# KiCad board main.kicad_pcb
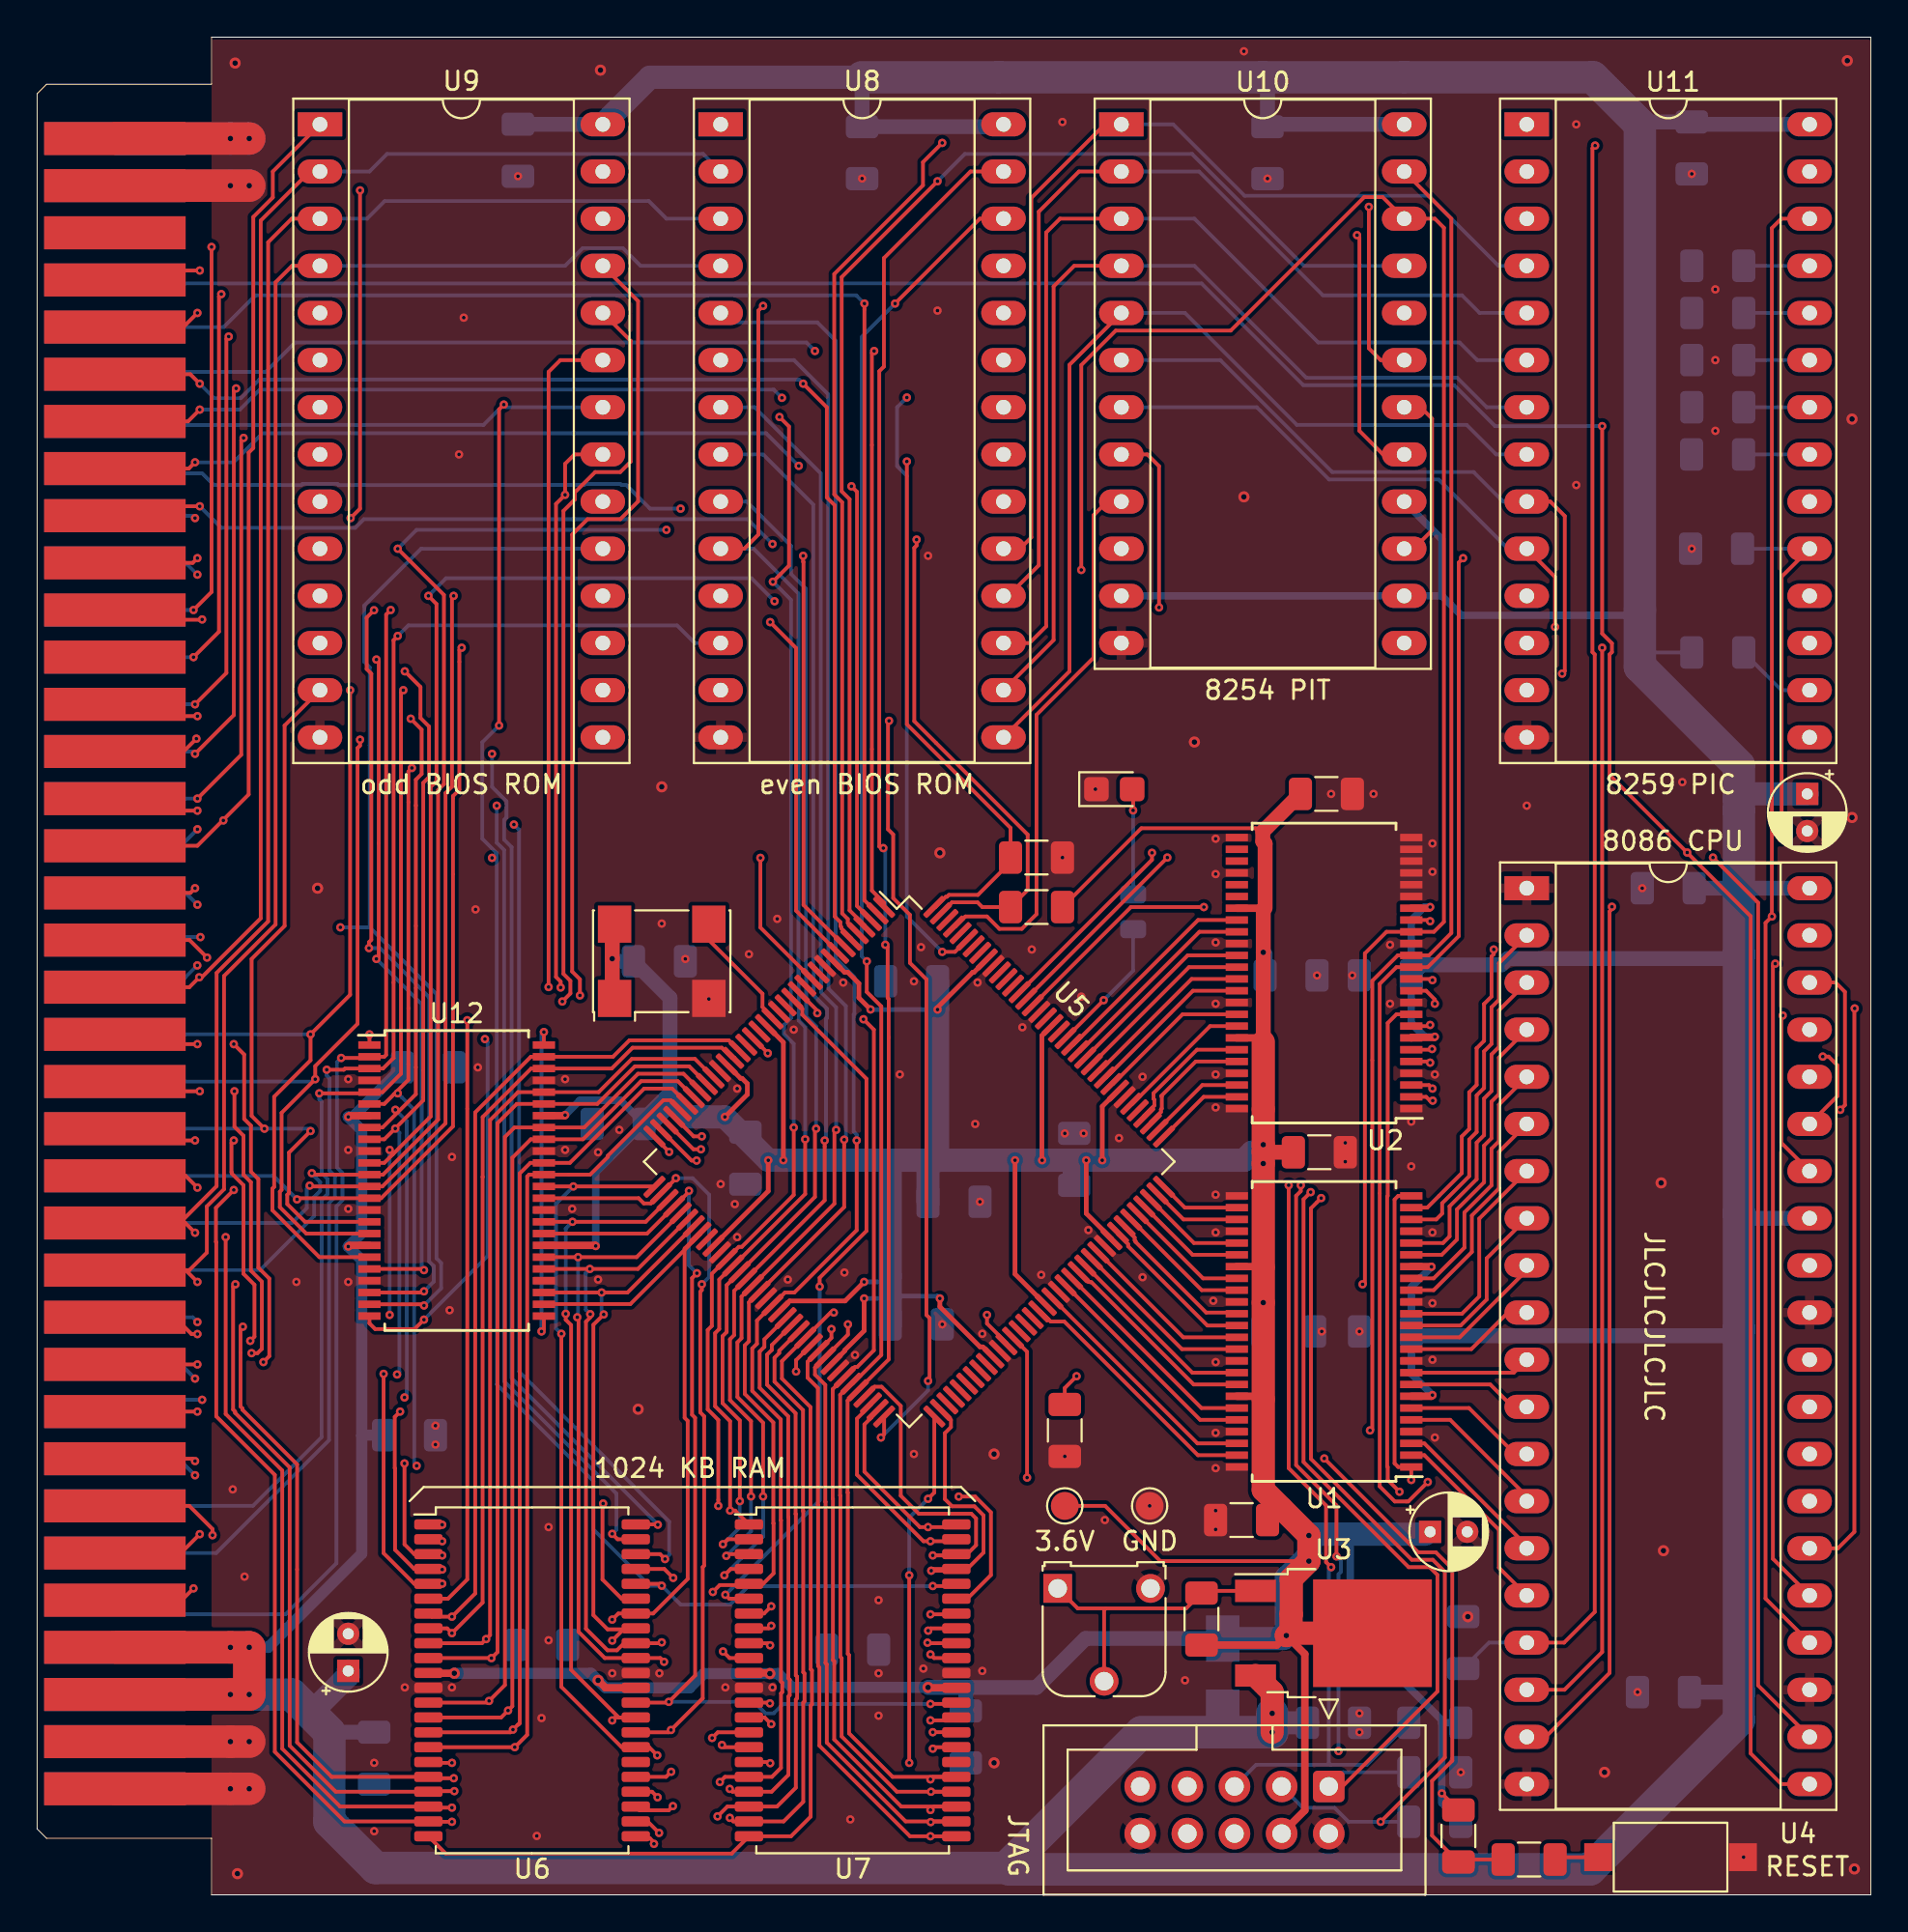
[diagram p0: board, top side]
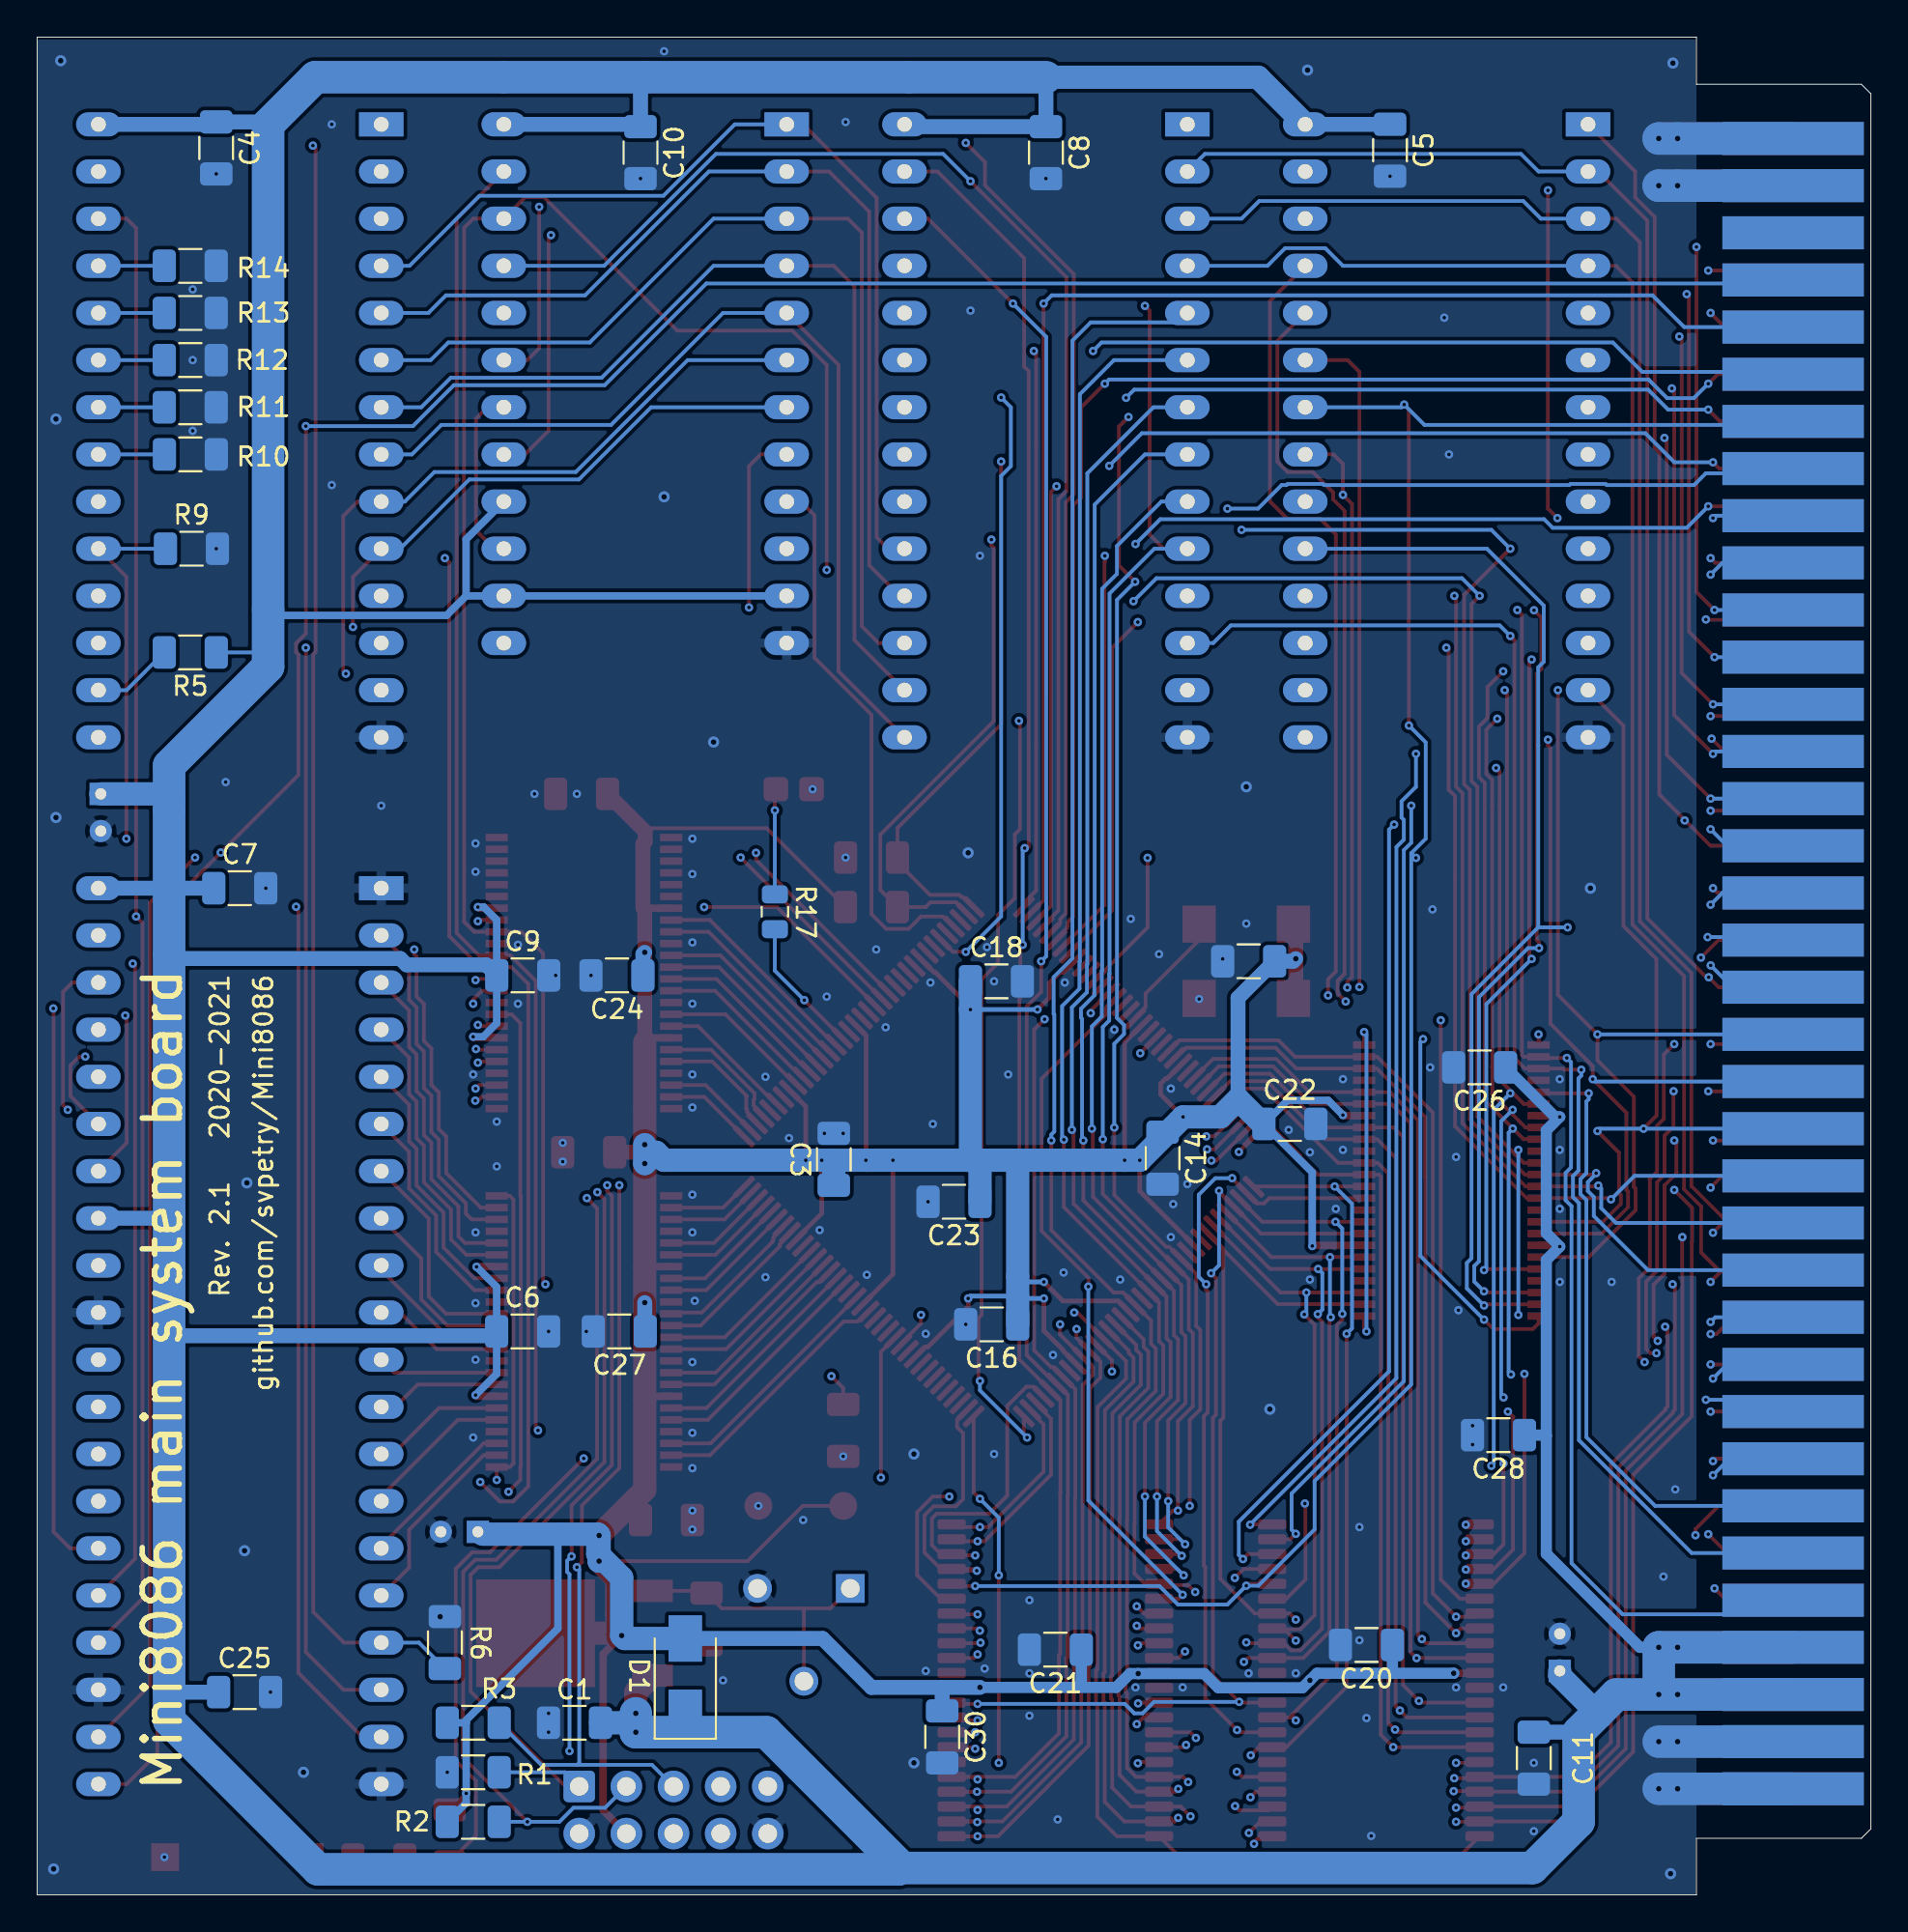
[diagram p1: board, bottom side, seen from below]

Outline 98.81 x 100.08 mm; copper layers: Top, In1.Cu, In2.Cu (plane), Bottom. Coordinates in mm from the lower left corner of the outline.
Outline path: 0,97.03 0,3.56 0.51,3.05 9.4,3.05 9.4,0 98.81,0 98.81,100.08 9.4,100.08 9.4,97.54 0.51,97.54 0,97.03

## Placement (name value [footprint] x y rotation side)
C1  100n  [C_1206_3216Metric]  69.85 9.27 0 bottom
C2  47u  [CP_Radial_D4.0mm_P2.00mm]  75.06 19.56 0 top
C3  100n  [C_1206_3216Metric]  55.88 39.62 90 bottom
C4  100n  [C_1206_3216Metric]  89.15 94.11 270 bottom
C5  100n  [C_1206_3216Metric]  25.91 93.98 270 bottom
C6  100n  [C_1206_3216Metric]  72.65 30.35 180 bottom
C7  100n  [C_1206_3216Metric]  87.89 54.23 180 bottom
C8  100n  [C_1206_3216Metric]  44.45 93.85 270 bottom
C9  100n  [C_1206_3216Metric]  72.64 49.53 180 bottom
C10  100n  [C_1206_3216Metric]  66.29 93.85 270 bottom
C11  100n  [C_1206_3216Metric]  18.16 7.37 270 bottom
C12  47µ  [CP_Radial_D4.0mm_P2.00mm]  16.76 12.06 90 top
C13  100n  [C_1206_3216Metric]  64.9 20.19 180 top
C14  100n  [C_1206_3216Metric]  38.16 39.68 270 bottom
C15  100n  [C_1206_3216Metric]  69.47 59.31 0 top
C16  100n  [C_1206_3216Metric]  47.37 30.73 0 bottom
C17  100n  [C_1206_3216Metric]  33.53 50.29 0 bottom
C18  100n  [C_1206_3216Metric]  47.12 49.21 180 bottom
C19  100n  [C_1206_3216Metric]  69.09 40 0 top
C20  100n  [C_1206_3216Metric]  27.18 13.46 0 bottom
C21  100n  [C_1206_3216Metric]  43.94 13.21 0 bottom
C22  100n  [C_1206_3216Metric]  31.31 41.53 180 bottom
C23  100n  [C_1206_3216Metric]  49.4 37.34 0 bottom
C24  100n  [C_1206_3216Metric]  67.56 49.53 0 bottom
C25  100n  [C_1206_3216Metric]  87.63 10.92 180 bottom
C26  100n  [C_1206_3216Metric]  21.08 44.58 0 bottom
C27  100n  [C_1206_3216Metric]  67.44 30.35 0 bottom
C28  100n  [C_1206_3216Metric]  20.07 24.77 0 bottom
C29  10µ  [CP_Radial_D4.0mm_P2.00mm]  95.38 59.31 270 top
C30  100n  [C_1206_3216Metric]  50.04 8.51 270 bottom
C40  100n  [C_1206_3216Metric]  55.37 25.02 270 top
D1  SS16  [D_SMA]  63.88 11.81 90 bottom
D2  LED  [LED_0805_2012Metric_Castellated]  58.04 59.56 0 top
J1  JTAG  [IDC-Header_2x05_P2.54mm_Vertical]  69.6 5.84 270 top
R1  2K2  [R_1206_3216Metric]  75.31 6.6 0 bottom
R2  10K  [R_1206_3216Metric]  75.31 3.94 180 bottom
R3  10K  [R_1206_3216Metric]  75.31 9.27 180 bottom
R4  180/200  [R_1206_3216Metric]  62.74 14.86 90 top
R5  4K7  [R_1206_3216Metric]  90.55 66.93 0 bottom
R6  4K7  [R_1206_3216Metric]  76.84 13.59 90 bottom
R7  4K7  [R_1206_3216Metric]  53.85 55.88 180 top
R8  4K7  [R_1206_3216Metric]  53.85 53.21 180 top
R9  3K3  [R_1206_3216Metric]  90.49 72.52 180 bottom
R10  3K3  [R_1206_3216Metric]  90.55 77.6 180 bottom
R11  3K3  [R_1206_3216Metric]  90.55 80.14 180 bottom
R12  3K3  [R_1206_3216Metric]  90.55 82.68 180 bottom
R13  3K3  [R_1206_3216Metric]  90.55 85.22 180 bottom
R14  3K3  [R_1206_3216Metric]  90.55 87.76 180 bottom
R15  33  [R_1206_3216Metric]  80.39 1.91 0 top
R16  1K  [R_1206_3216Metric]  76.58 3.17 270 top
R17  120  [R_0805_2012Metric]  59.05 52.96 270 bottom
RV1  500  [Potentiometer_Runtron_RM-065_Vertical]  54.99 16.51 0 top
SW1  Reset  [SW_SPST_CK_RS282G05A3]  88.01 2.03 180 top
TP1  3V6  [TestPoint_Pad_D1.5mm]  55.37 20.95 0 top
TP2  GND  [TestPoint_Pad_D1.5mm]  59.94 20.95 0 top
U1  SN74ALVC164245  [SSOP-48_7.5x15.9mm_P0.635mm]  69.34 30.35 180 top
U2  SN74ALVC164245  [SSOP-48_7.5x15.9mm_P0.635mm]  69.34 49.66 180 top
U3  LM317  [TO-252-2]  69.85 14.1 0 top
U4  8086  [DIP-40_W15.24mm_Socket_LongPads]  80.26 54.23 0 top
U5  EPM570T144  [LQFP-144_20x20mm_P0.5mm]  46.99 39.5 315 top
U6  IS61WV25616  [TSOP-II-44_10.16x18.41mm_P0.8mm]  26.67 11.56 0 top
U7  IS61WV25616  [TSOP-II-44_10.16x18.41mm_P0.8mm]  43.94 11.56 0 top
U8  27C512  [DIP-28_W15.24mm_Socket_LongPads]  36.83 95.38 0 top
U9  27C512  [DIP-28_W15.24mm_Socket_LongPads]  15.24 95.38 0 top
U10  8254  [DIP-24_W15.24mm_Socket_LongPads]  58.42 95.38 0 top
U11  8259  [DIP-28_W15.24mm_Socket_LongPads]  80.26 95.38 0 top
U12  SN74ALVC164245  [SSOP-48_7.5x15.9mm_P0.635mm]  22.61 38.48 0 top
X2  Edge72  [BUS_72]  4.19 5.72 270 top
X3  60 MHz  [Oscillator_SMD_Abracon_ASV-4Pin_7.0x5.1mm]  33.66 50.29 0 top

## Library data of the parts
C1 C3-C11 C13-C28 C30 C40 = -: Description: Unpolarized capacitor
D1 = -: Description: Schottky diode
D2 = -: Description: Light emitting diode
J1 = -: Description: Generic connector, double row, 02x05, odd/even pin numbering scheme (row 1 odd numbers, row 2 even numbers), script generated (kicad-library-utils/schlib/autogen/connector/)
R1-R3 R5-R8 R15-R17 = -: Description: Resistor
R4 R9-R14 = -: Description: Resistor, small symbol
SW1 = -: Description: Push button switch, generic, two pins
TP1 TP2 = -: Description: test point
U3 = -: Description: 1.5A 35V Adjustable Linear Regulator, SOT-223
U4 = -: Description: 8086 (minimum mode), 16-Bit HMOS Microprocessor, PDIP-40
U5 = -: Description: Altera MAX2 CPLD with 570 LE
U8 U9 = -: Description: OTP EPROM 512 KiBit
U11 = -: Description: 8259, Programmable Interrupt Controller, PDIP-28
X3 = -: Description: 3.3V CMOS SMD Crystal Clock Oscillator, Abracon

## Footprints (pads in the part's own frame, mm; a bottom-side part is the same pattern mirrored in y, then rotated)
BUS_72
  rect 1.78x7.62 smd: 1(0,0) 2(-2.54,0) 3(-5.08,0) 4(-7.62,0) 5(-10.16,0) 6(-12.7,0) 7(-15.24,0) 8(-17.78,0) 9(-20.32,0) 10(-22.86,0) 11(-25.4,0) 12(-27.94,0) 13(-30.48,0) 14(-33.02,0) 15(-35.56,0) 16(-38.1,0) 17(-40.64,0) 18(-43.18,0) 19(-45.72,0) 20(-48.26,0) 21(-50.8,0) 22(-53.34,0) 23(-55.88,0) 24(-58.42,0) 25(-60.96,0) 26(-63.5,0) 27(-66.04,0) 28(-68.58,0) 29(-71.12,0) 30(-73.66,0) 31(-76.2,0) 32(-78.74,0) 33(-81.28,0) 34(-83.82,0) 35(-86.36,0) 36(-88.9,0)
  rect 1.78x7.62 smd far side: 37(0,0) 38(-2.54,0) 39(-5.08,0) 40(-7.62,0) 41(-10.16,0) 42(-12.7,0) 43(-15.24,0) 44(-17.78,0) 45(-20.32,0) 46(-22.86,0) 47(-25.4,0) 48(-27.94,0) 49(-30.48,0) 50(-33.02,0) 51(-35.56,0) 52(-38.1,0) 53(-40.64,0) 54(-43.18,0) 55(-45.72,0) 56(-48.26,0) 57(-50.8,0) 58(-53.34,0) 59(-55.88,0) 60(-58.42,0) 61(-60.96,0) 62(-63.5,0) 63(-66.04,0) 64(-68.58,0) 65(-71.12,0) 66(-73.66,0) 67(-76.2,0) 68(-78.74,0) 69(-81.28,0) 70(-83.82,0) 71(-86.36,0) 72(-88.9,0)
C_1206_3216Metric
  rrect 1.25x1.75 smd: 1(-1.4,0) 2(1.4,0)
CP_Radial_D4.0mm_P2.00mm
  rect 1.2x1.2 hole 0.6: 1(0,0)
  round 1.2 hole 0.6: 2(2,0)
D_SMA
  rect 2.5x1.8 smd: 1(-2,0) 2(2,0)
DIP-24_W15.24mm_Socket_LongPads
  rect 2.4x1.3 hole 0.8: 1(0,0)
  oval 2.4x1.3 hole 0.8: 2(0,-2.54) 3(0,-5.08) 4(0,-7.62) 5(0,-10.16) 6(0,-12.7) 7(0,-15.24) 8(0,-17.78) 9(0,-20.32) 10(0,-22.86) 11(0,-25.4) 12(0,-27.94) 13(15.24,-27.94) 14(15.24,-25.4) 15(15.24,-22.86) 16(15.24,-20.32) 17(15.24,-17.78) 18(15.24,-15.24) 19(15.24,-12.7) 20(15.24,-10.16) 21(15.24,-7.62) 22(15.24,-5.08) 23(15.24,-2.54) 24(15.24,0)
DIP-28_W15.24mm_Socket_LongPads
  rect 2.4x1.3 hole 0.8: 1(0,0)
  oval 2.4x1.3 hole 0.8: 2(0,-2.54) 3(0,-5.08) 4(0,-7.62) 5(0,-10.16) 6(0,-12.7) 7(0,-15.24) 8(0,-17.78) 9(0,-20.32) 10(0,-22.86) 11(0,-25.4) 12(0,-27.94) 13(0,-30.48) 14(0,-33.02) 15(15.24,-33.02) 16(15.24,-30.48) 17(15.24,-27.94) 18(15.24,-25.4) 19(15.24,-22.86) 20(15.24,-20.32) 21(15.24,-17.78) 22(15.24,-15.24) 23(15.24,-12.7) 24(15.24,-10.16) 25(15.24,-7.62) 26(15.24,-5.08) 27(15.24,-2.54) 28(15.24,0)
DIP-40_W15.24mm_Socket_LongPads
  rect 2.4x1.3 hole 0.8: 1(0,0)
  oval 2.4x1.3 hole 0.8: 2(0,-2.54) 3(0,-5.08) 4(0,-7.62) 5(0,-10.16) 6(0,-12.7) 7(0,-15.24) 8(0,-17.78) 9(0,-20.32) 10(0,-22.86) 11(0,-25.4) 12(0,-27.94) 13(0,-30.48) 14(0,-33.02) 15(0,-35.56) 16(0,-38.1) 17(0,-40.64) 18(0,-43.18) 19(0,-45.72) 20(0,-48.26) 21(15.24,-48.26) 22(15.24,-45.72) 23(15.24,-43.18) 24(15.24,-40.64) 25(15.24,-38.1) 26(15.24,-35.56) 27(15.24,-33.02) 28(15.24,-30.48) 29(15.24,-27.94) 30(15.24,-25.4) 31(15.24,-22.86) 32(15.24,-20.32) 33(15.24,-17.78) 34(15.24,-15.24) 35(15.24,-12.7) 36(15.24,-10.16) 37(15.24,-7.62) 38(15.24,-5.08) 39(15.24,-2.54) 40(15.24,0)
IDC-Header_2x05_P2.54mm_Vertical
  rrect 1.7x1.7 hole 1: 1(0,0)
  round 1.7 hole 1: 2(2.54,0) 3(0,-2.54) 4(2.54,-2.54) 5(0,-5.08) 6(2.54,-5.08) 7(0,-7.62) 8(2.54,-7.62) 9(0,-10.16) 10(2.54,-10.16)
LED_0805_2012Metric_Castellated
  rrect 1.325x1.3 smd: 1(-0.963,0) 2(0.963,0)
LQFP-144_20x20mm_P0.5mm
  rrect 1.475x0.3 smd: 1(-10.662,8.75) 2(-10.662,8.25) 3(-10.663,7.75) 4(-10.662,7.25) 5(-10.662,6.75) 6(-10.662,6.25) 7(-10.662,5.75) 8(-10.662,5.25) 9(-10.662,4.75) 10(-10.662,4.25) 11(-10.662,3.75) 12(-10.662,3.25) 13(-10.662,2.75) 14(-10.662,2.25) 15(-10.662,1.75) 16(-10.663,1.25) 17(-10.662,0.75) 18(-10.662,0.25) 19(-10.662,-0.25) 20(-10.662,-0.75) 21(-10.663,-1.25) 22(-10.662,-1.75) 23(-10.662,-2.25) 24(-10.662,-2.75) 25(-10.662,-3.25) 26(-10.662,-3.75) 27(-10.662,-4.25) 28(-10.662,-4.75) 29(-10.662,-5.25) 30(-10.662,-5.75) 31(-10.662,-6.25) 32(-10.662,-6.75) 33(-10.662,-7.25) 34(-10.663,-7.75) 35(-10.662,-8.25) 36(-10.662,-8.75) 73(10.662,-8.75) 74(10.662,-8.25) 75(10.663,-7.75) 76(10.662,-7.25) 77(10.662,-6.75) 78(10.662,-6.25) 79(10.662,-5.75) 80(10.662,-5.25) 81(10.662,-4.75) 82(10.662,-4.25) 83(10.662,-3.75) 84(10.662,-3.25) 85(10.662,-2.75) 86(10.662,-2.25) 87(10.662,-1.75) 88(10.663,-1.25) 89(10.662,-0.75) 90(10.662,-0.25) 91(10.662,0.25) 92(10.662,0.75) 93(10.663,1.25) 94(10.662,1.75) 95(10.662,2.25) 96(10.662,2.75) 97(10.662,3.25) 98(10.662,3.75) 99(10.662,4.25) 100(10.662,4.75) 101(10.662,5.25) 102(10.662,5.75) 103(10.662,6.25) 104(10.662,6.75) 105(10.662,7.25) 106(10.663,7.75) 107(10.662,8.25) 108(10.662,8.75)
  rrect 0.3x1.475 smd: 37(-8.75,-10.662) 38(-8.25,-10.662) 39(-7.75,-10.663) 40(-7.25,-10.662) 41(-6.75,-10.662) 42(-6.25,-10.662) 43(-5.75,-10.662) 44(-5.25,-10.662) 45(-4.75,-10.662) 46(-4.25,-10.662) 47(-3.75,-10.662) 48(-3.25,-10.662) 49(-2.75,-10.662) 50(-2.25,-10.662) 51(-1.75,-10.662) 52(-1.25,-10.663) 53(-0.75,-10.662) 54(-0.25,-10.662) 55(0.25,-10.662) 56(0.75,-10.662) 57(1.25,-10.663) 58(1.75,-10.662) 59(2.25,-10.662) 60(2.75,-10.662) 61(3.25,-10.662) 62(3.75,-10.662) 63(4.25,-10.662) 64(4.75,-10.662) 65(5.25,-10.662) 66(5.75,-10.662) 67(6.25,-10.662) 68(6.75,-10.662) 69(7.25,-10.662) 70(7.75,-10.663) 71(8.25,-10.662) 72(8.75,-10.662) 109(8.75,10.662) 110(8.25,10.662) 111(7.75,10.663) 112(7.25,10.662) 113(6.75,10.662) 114(6.25,10.662) 115(5.75,10.662) 116(5.25,10.662) 117(4.75,10.662) 118(4.25,10.662) 119(3.75,10.662) 120(3.25,10.662) 121(2.75,10.662) 122(2.25,10.662) 123(1.75,10.662) 124(1.25,10.663) 125(0.75,10.662) 126(0.25,10.662) 127(-0.25,10.662) 128(-0.75,10.662) 129(-1.25,10.663) 130(-1.75,10.662) 131(-2.25,10.662) 132(-2.75,10.662) 133(-3.25,10.662) 134(-3.75,10.662) 135(-4.25,10.662) 136(-4.75,10.662) 137(-5.25,10.662) 138(-5.75,10.662) 139(-6.25,10.662) 140(-6.75,10.662) 141(-7.25,10.662) 142(-7.75,10.663) 143(-8.25,10.662) 144(-8.75,10.662)
Oscillator_SMD_Abracon_ASV-4Pin_7.0x5.1mm
  rect 1.8x2 smd: 1(-2.54,-2) 2(2.54,-2) 3(2.54,2) 4(-2.54,2)
Potentiometer_Runtron_RM-065_Vertical
  rect 1.55x1.55 hole 1: 1(0,0)
  round 1.55 hole 1: 2(2.5,-5) 3(5,0)
R_0805_2012Metric
  rrect 0.975x1.4 smd: 1(-0.938,0) 2(0.938,0)
R_1206_3216Metric
  rrect 1.25x1.75 smd: 1(-1.4,0) 2(1.4,0)
SSOP-48_7.5x15.9mm_P0.635mm
  rect 1.2x0.4 smd: 1(-4.7,7.303) 2(-4.7,6.668) 3(-4.7,6.032) 4(-4.7,5.397) 5(-4.7,4.763) 6(-4.7,4.128) 7(-4.7,3.493) 8(-4.7,2.857) 9(-4.7,2.223) 10(-4.7,1.587) 11(-4.7,0.953) 12(-4.7,0.318) 13(-4.7,-0.318) 14(-4.7,-0.953) 15(-4.7,-1.587) 16(-4.7,-2.223) 17(-4.7,-2.857) 18(-4.7,-3.493) 19(-4.7,-4.128) 20(-4.7,-4.763) 21(-4.7,-5.397) 22(-4.7,-6.032) 23(-4.7,-6.668) 24(-4.7,-7.303) 25(4.7,-7.303) 26(4.7,-6.668) 27(4.7,-6.032) 28(4.7,-5.397) 29(4.7,-4.763) 30(4.7,-4.128) 31(4.7,-3.493) 32(4.7,-2.857) 33(4.7,-2.223) 34(4.7,-1.587) 35(4.7,-0.953) 36(4.7,-0.318) 37(4.7,0.318) 38(4.7,0.953) 39(4.7,1.587) 40(4.7,2.223) 41(4.7,2.857) 42(4.7,3.493) 43(4.7,4.128) 44(4.7,4.763) 45(4.7,5.397) 46(4.7,6.032) 47(4.7,6.668) 48(4.7,7.303)
SW_SPST_CK_RS282G05A3
  rect 1.5x1.5 smd: 1(-3.9,0) 2(3.9,0)
TestPoint_Pad_D1.5mm
  round 1.5 smd: 1(0,0)
TO-252-2
  rect 3.05x2.75 smd: (0.425,1.525) (0.425,-1.525) (3.775,1.525) (3.775,-1.525)
  rect 2.2x1.2 smd: 1(-4.2,2.28) 3(-4.2,-2.28)
  rect 6.4x5.8 smd: 2(2.1,0)
TSOP-II-44_10.16x18.41mm_P0.8mm
  rrect 1.525x0.55 smd: 1(-5.588,8.4) 2(-5.588,7.6) 3(-5.588,6.8) 4(-5.588,6) 5(-5.588,5.2) 6(-5.588,4.4) 7(-5.588,3.6) 8(-5.588,2.8) 9(-5.588,2) 10(-5.588,1.2) 11(-5.588,0.4) 12(-5.588,-0.4) 13(-5.588,-1.2) 14(-5.588,-2) 15(-5.588,-2.8) 16(-5.588,-3.6) 17(-5.588,-4.4) 18(-5.588,-5.2) 19(-5.588,-6) 20(-5.588,-6.8) 21(-5.588,-7.6) 22(-5.588,-8.4) 23(5.588,-8.4) 24(5.588,-7.6) 25(5.588,-6.8) 26(5.588,-6) 27(5.588,-5.2) 28(5.588,-4.4) 29(5.588,-3.6) 30(5.588,-2.8) 31(5.588,-2) 32(5.588,-1.2) 33(5.588,-0.4) 34(5.588,0.4) 35(5.588,1.2) 36(5.588,2) 37(5.588,2.8) 38(5.588,3.6) 39(5.588,4.4) 40(5.588,5.2) 41(5.588,6) 42(5.588,6.8) 43(5.588,7.6) 44(5.588,8.4)

## Nets
GND: C1.2 C2.2 C3.2 C4.2 C5.2 C6.2 C7.2 C8.2 C9.2 C10.2 C11.2 C12.2 C13.2 C14.2 C15.2 C16.2 C17.2 C18.2 C19.2 C20.2 C21.2 C22.2 C23.2 C24.2 C25.2 C26.2 C27.2 C28.2 C29.2 C30.2 C40.2 D2.1 J1.2 J1.10 R1.2 R6.2 R7.1 R9.2 R10.2 R11.2 R12.2 R13.2 R14.2 RV1.3 SW1.1 TP2.1 U1.4 U1.10 U1.15 U1.21 U1.25 U1.28 U1.34 U1.39 U1.45 U1.48 U2.1 U2.4 U2.10 U2.15 U2.19 U2.20 U2.21 U2.22 U2.23 U2.24 U2.25 U2.28 U2.34 U2.39 U2.45 U2.48 U4.1 U4.20 U4.23 U4.31 U5.10 U5.17 U5.26 U5.47 U5.54 U5.65 U5.83 U5.92 U5.99 U5.115 U5.128 U5.135 U6.12 U6.34 U7.12 U7.34 U8.14 U9.14 U10.12 U11.14 U12.4 U12.10 U12.15 U12.21 U12.28 U12.34 U12.39 U12.45 X2.1 X2.2 X2.35 X2.36 X2.37 X2.38 X2.71 X2.72 X3.2
VCC: C1.1 C4.1 C5.1 C6.1 C7.1 C8.1 C9.1 C10.1 C11.1 C12.1 C25.1 C26.1 C28.1 C29.1 D1.1 R5.1 U1.7 U1.18 U2.7 U2.18 U3.3 U4.33 U4.40 U8.28 U9.28 U10.11 U10.14 U10.16 U10.24 U11.28 U12.7 U12.18 X2.3 X2.4 X2.39 X2.40
VCC36: C2.1 C3.1 C13.1 C14.1 C15.1 C16.1 C17.1 C18.1 C19.1 C20.1 C21.1 C22.1 C23.1 C24.1 C27.1 C30.1 D1.2 J1.4 R2.1 R3.1 R4.1 R8.1 R16.1 TP1.1 U1.31 U1.42 U2.31 U2.42 U3.2 U5.9 U5.19 U5.25 U5.46 U5.56 U5.64 U5.82 U5.90 U5.100 U5.116 U5.126 U5.136 U6.11 U6.33 U7.11 U7.33 U12.31 U12.42 X3.1 X3.4
/CPLD/CPLD_CLK: U5.18 X3.3
/CPLD/INFO_LED: R17.2 U5.124
/CPLD/~{CPLD_RESET}: C40.1 R15.1 R16.2 U5.61
/PIC TIMER/IRQ0: U10.10 U11.18
/PIC TIMER/IRQ2: U10.13 U11.20
/PIC TIMER/~{SP}_~{EN}: R5.2 U11.16
A0: U5.48 U6.39 U7.39 U8.22 U10.19 U11.27 X2.5
A1: U5.49 U6.1 U7.1 U8.10 U9.10 U10.20 X2.6
A2: U5.50 U6.2 U7.2 U8.9 U9.9 X2.7
A3: U5.51 U6.3 U7.3 U8.8 U9.8 X2.8
A4: U5.52 U6.4 U7.4 U8.7 U9.7 X2.9
A5: U5.53 U6.5 U7.5 U8.6 U9.6 X2.10
A6: U5.55 U6.18 U7.18 U8.5 U9.5 X2.11
A7: U5.57 U6.19 U7.19 U8.4 U9.4 X2.12
A8: U5.58 U6.20 U7.20 U8.3 U9.3 X2.13
A9: U5.59 U6.21 U7.21 U8.25 U9.25 X2.14
A10: U5.60 U6.22 U7.22 U8.24 U9.24 X2.15
A11: U5.62 U6.23 U7.23 U8.21 U9.21 X2.16
A12: U5.63 U6.24 U7.24 U8.23 U9.23 X2.17
A13: U5.66 U6.25 U7.25 U8.2 U9.2 X2.18
A14: U5.67 U6.26 U7.26 U8.26 U9.26 X2.19
A15: U5.68 U6.27 U7.27 U8.27 U9.27 X2.20
A16: U5.69 U6.42 U7.42 U8.1 U9.1 X2.21
A17: U5.70 U6.43 U7.43 X2.22
A18: U5.71 U6.44 U7.44 X2.23
A19: U5.72 X2.24
AD0: U1.2 U4.16
AD1: U1.3 U4.15
AD2: U1.5 U4.14
AD3: U1.6 U4.13
AD4: U1.8 U4.12
AD5: U1.9 U4.11
AD6: U1.11 U4.10
AD7: U1.12 U4.9
AD8: U1.13 U4.8
AD9: U1.14 U4.7
AD10: U1.16 U4.6
AD11: U1.17 U4.5
AD12: U1.19 U4.4
AD13: U1.20 U4.3
AD14: U1.22 U4.2
AD15: U1.23 U4.39
AD16: U2.2 U4.38
AD17: U2.3 U4.37
AD18: U2.5 U4.36
AD19: U2.6 U4.35
ALE: U2.12 U4.25
ALE_3: U2.37 U5.119
CLK: U4.19 U5.129
D0: U8.11 U10.8 U11.11 U12.2 X2.41
D1: U8.12 U10.7 U11.10 U12.3 X2.42
D2: U8.13 U10.6 U11.9 U12.5 X2.43
D3: U8.15 U10.5 U11.8 U12.6 X2.44
D4: U8.16 U10.4 U11.7 U12.8 X2.45
D5: U8.17 U10.3 U11.6 U12.9 X2.46
D6: U8.18 U10.2 U11.5 U12.11 X2.47
D7: U8.19 U10.1 U11.4 U12.12 X2.48
D8: U9.11 U12.13 X2.49
D9: U9.12 U12.14 X2.50
D10: U9.13 U12.16 X2.51
D11: U9.15 U12.17 X2.52
D12: U9.16 U12.19 X2.53
D13: U9.17 U12.20 X2.54
D14: U9.18 U12.22 X2.55
D15: U9.19 U12.23 X2.56
DATA_DIR: U1.1 U1.24 U5.85
DT_~{R}: U2.9 U4.27
DT_~{R}_3: U2.40 U5.117
INT: U4.18 U11.17
IRQ1: R9.1 U11.19 X2.57
IRQ3: R10.1 U11.21 X2.58
IRQ4: R11.1 U11.22 X2.59
IRQ5: R12.1 U11.23 X2.60
IRQ6: R13.1 U11.24 X2.61
IRQ7: R14.1 U11.25 X2.62
LAD0: U1.47 U5.89
LAD1: U1.46 U5.91
LAD2: U1.44 U5.93
LAD3: U1.43 U5.94
LAD4: U1.41 U5.95
LAD5: U1.40 U5.96
LAD6: U1.38 U5.97
LAD7: U1.37 U5.98
LAD8: U1.36 U5.101
LAD9: U1.35 U5.102
LAD10: U1.33 U5.103
LAD11: U1.32 U5.104
LAD12: U1.30 U5.105
LAD13: U1.29 U5.106
LAD14: U1.27 U5.107
LAD15: U1.26 U5.108
LAD16: U2.47 U5.109
LAD17: U2.46 U5.110
LAD18: U2.44 U5.111
LAD19: U2.43 U5.112
LD0: U5.23 U6.7 U7.7 U12.47
LD1: U5.24 U6.8 U7.8 U12.46
LD2: U5.27 U6.9 U7.9 U12.44
LD3: U5.28 U6.10 U7.10 U12.43
LD4: U5.29 U6.13 U7.13 U12.41
LD5: U5.30 U6.14 U7.14 U12.40
LD6: U5.31 U6.15 U7.15 U12.38
LD7: U5.32 U6.16 U7.16 U12.37
LD8: U5.37 U6.29 U7.29 U12.36
LD9: U5.38 U6.30 U7.30 U12.35
LD10: U5.39 U6.31 U7.31 U12.33
LD11: U5.40 U6.32 U7.32 U12.32
LD12: U5.41 U6.35 U7.35 U12.30
LD13: U5.42 U6.36 U7.36 U12.29
LD14: U5.43 U6.37 U7.37 U12.27
LD15: U5.44 U6.38 U7.38 U12.26
M_~{IO}: U2.13 U4.28 X2.65
M_~{IO}_3: U2.36 U5.120
NMI: R6.1 U4.17 X2.32
PCLK: U5.139 X2.30
PIT_CLK: U5.141 U10.9 U10.15 U10.18
RDY1: R8.2 U5.143 X2.28
RDY2: R7.2 U5.144 X2.29
READY: U4.22 U5.130
RESET: U4.21 U5.131 X2.69
TCK: J1.1 R1.1 U5.35
TDI: J1.9 U5.34
TDO: J1.3 R2.2 U5.36
TMR2: U10.17 X2.33
TMS: J1.5 R3.2 U5.33
~{BHE}: U5.12 U6.40 U7.40 U9.22 X2.66
~{BHE}_S7: U2.8 U4.34
~{BHE}_S7_3: U2.41 U5.114
~{DATA_DIR}: U5.21 U12.1 U12.24
~{DEN_3}: U2.38 U5.118
~{DEN}: U2.11 U4.26
~{INTA_3}: U2.32 U5.123
~{INTA}: U2.17 U4.24 U11.26
~{IO_DBG}: U5.6 X2.31
~{IO_PIC}: U5.5 U11.1
~{IO_TIMER}: U5.4 U10.21
~{LMEMRD}: U5.74 U6.41 U7.41
~{LMEMWR}: U5.73 U6.17 U7.17
~{MEMRD}: U5.1 X2.67
~{MEMWR}: U5.2 X2.68
~{OE_DATA}: U5.84 U12.25 U12.48
~{RAM0_CE}: U5.14 U6.6
~{RAM1_CE}: U5.15 U7.6
~{RD_3}: U2.33 U5.122
~{RD}: U2.16 U4.32 U10.22 U11.3 X2.63
~{ROMRD}: U5.3 U8.20 U9.20
~{VGA_IO}: U5.8 X2.26
~{VGA_MEM}: U5.7 X2.27
~{WR_3}: U2.35 U5.121
~{WR}: U2.14 U4.29 U10.23 U11.2 X2.64
Net-(D2-A): D2.2 R17.1
Net-(R15-Pad2): R15.2 SW1.2
Net-(U3-ADJ): R4.2 RV1.1 RV1.2 U3.1

Pads without a net: J1 6 7 8; U2 26 27 29 30; U4 30; U5 11 13 16 20 22 45 75 76 77 78 79 80 81 86 87 88 113 125 127 132 133 134 137 138 140 142; U6 28; U7 28; U11 12 13 15; X2 25 34 70

## Via types
v1: diameter 0.45, hole 0.2, Top to Bottom, 468 vias
v2: diameter 0.6, hole 0.3, Top to Bottom, 45 vias
